# Allegro board P2597_B04_Allegro_layout.brd (continued)
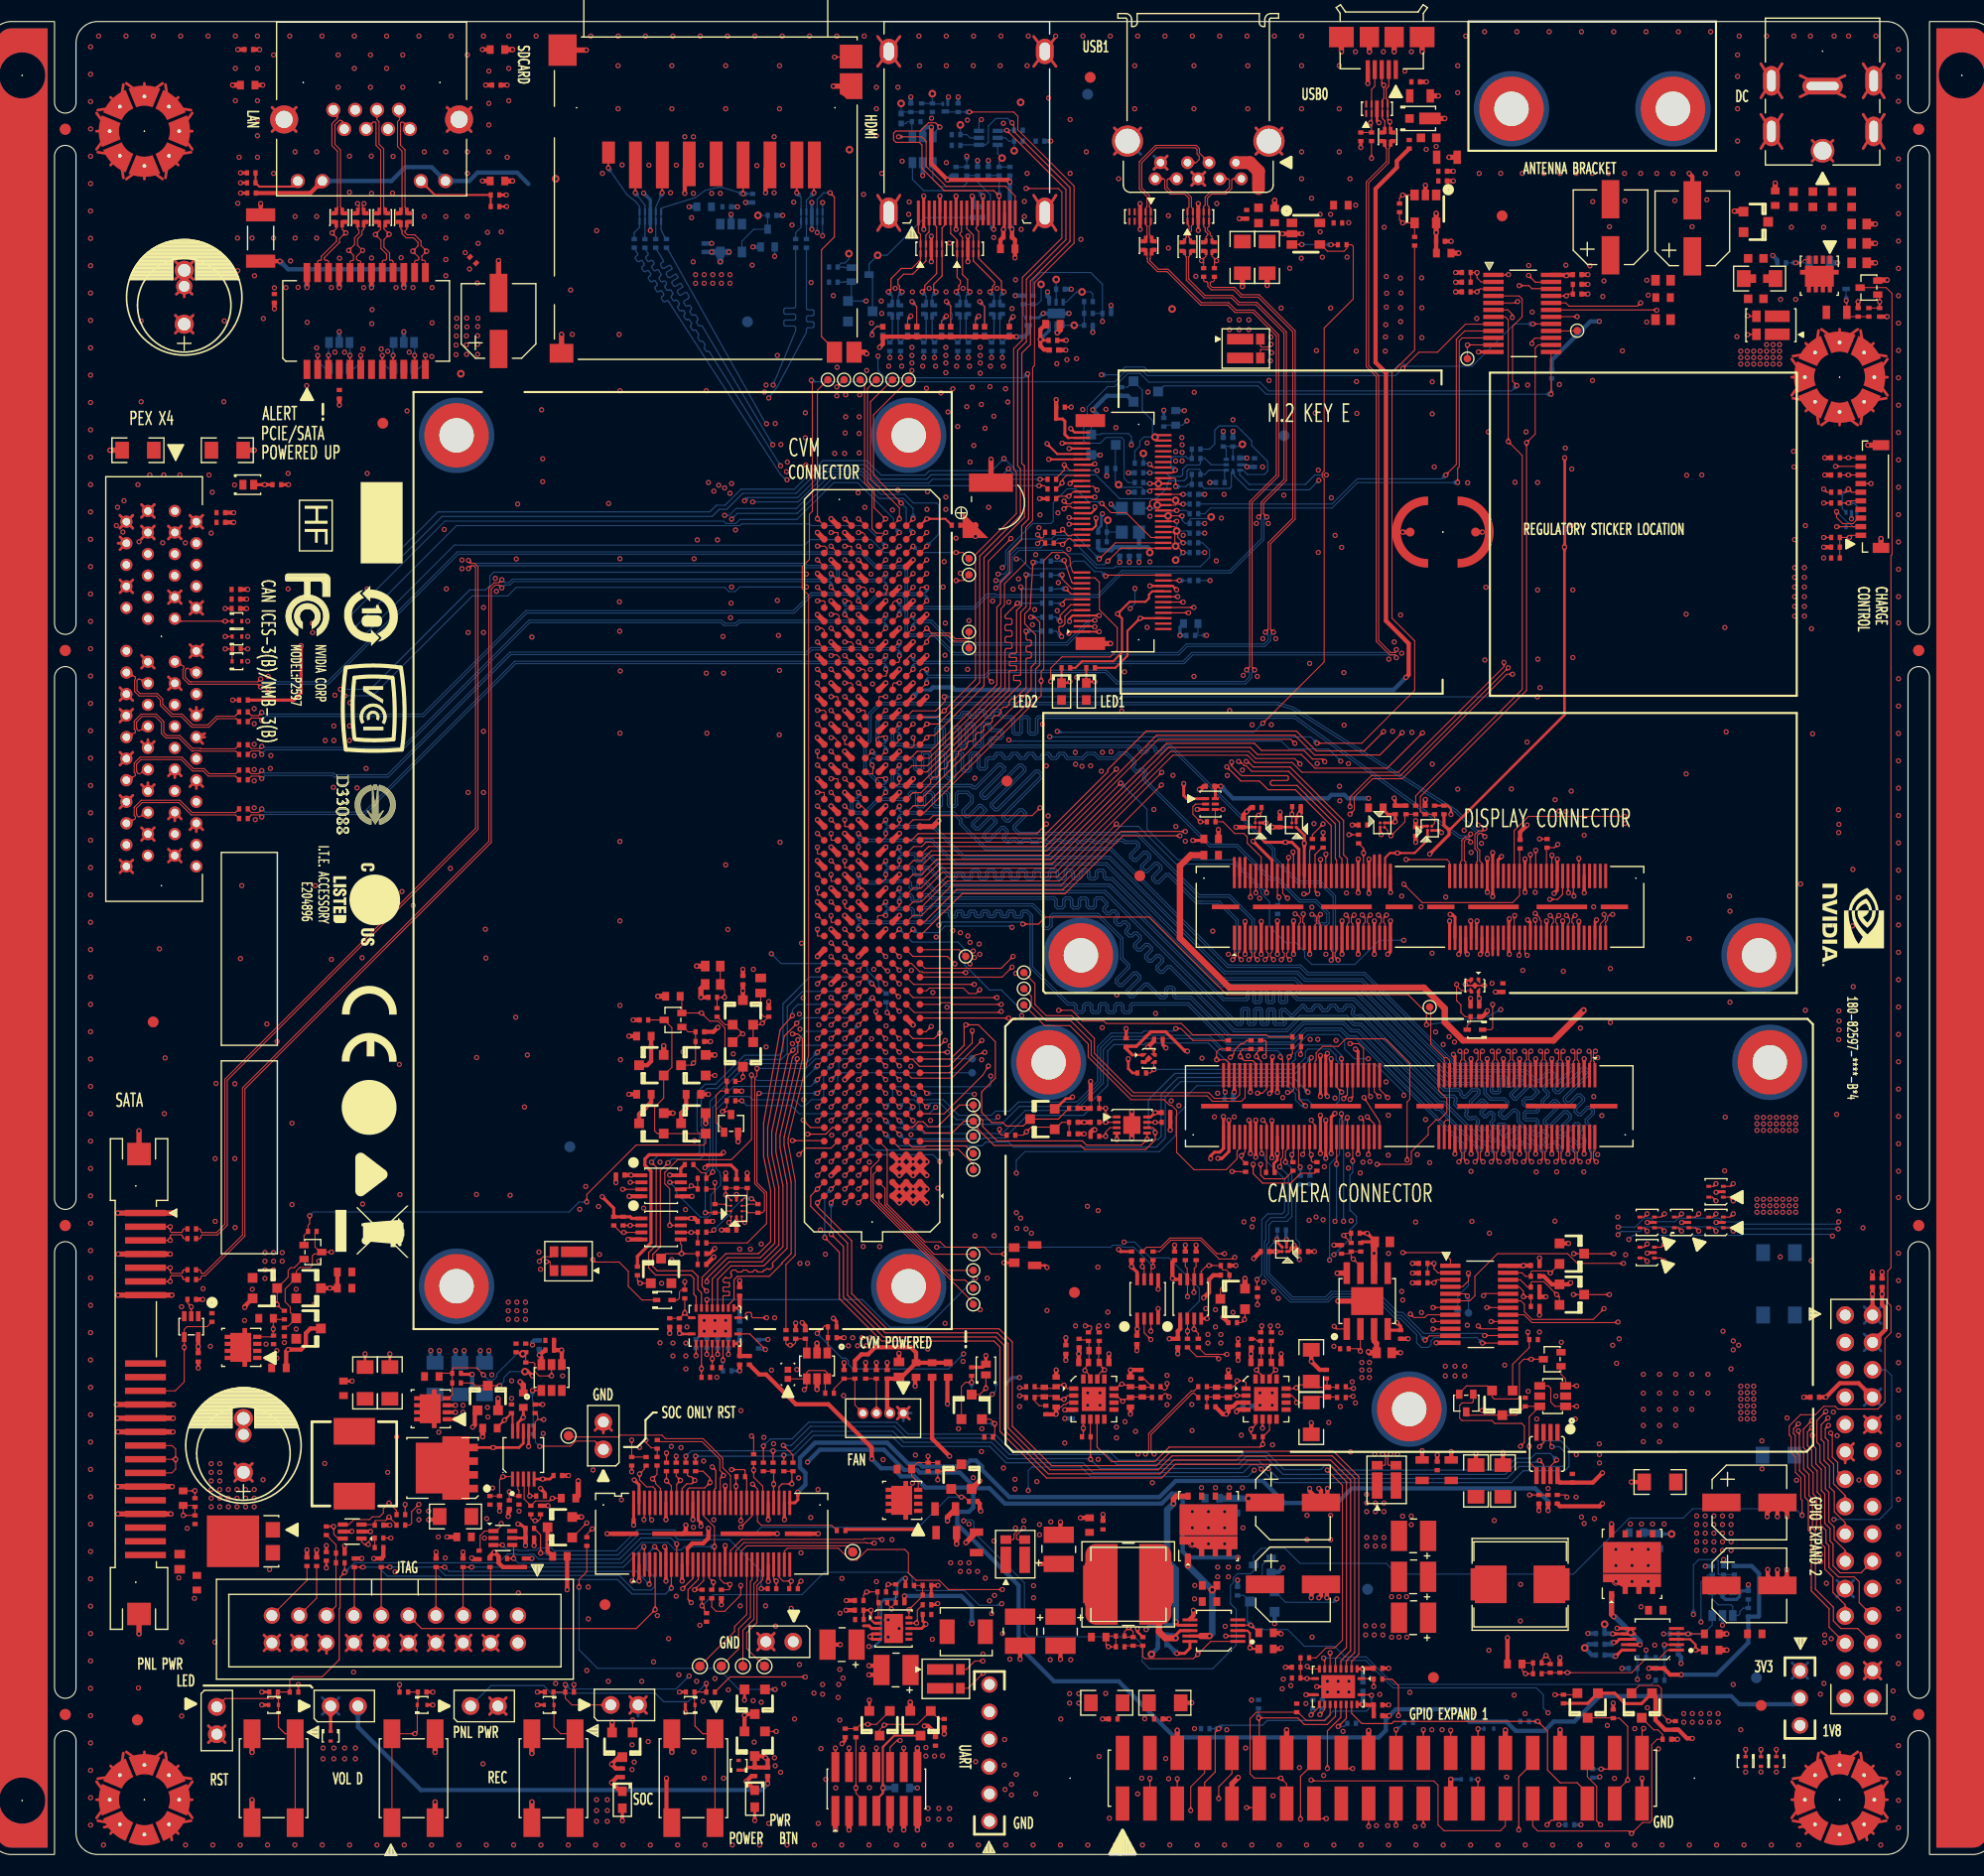
[diagram p0: board, top side]
## Routing (per net, layer and track width the routed paths; a pad name or vN(x,y) marks a point on that pad's centre or on a via; arc(x,y) is an arc through that point) (continued)
SDIO_D3: length 28
  TOP w0.111: v1(96.9,119.98) 96.63,115.68 96.13,115.19 96.13,114.26 97.14,113.25 97.14,110.67 96.72,110.25 96.72,108.2 86.49,97.97 J13.A30
  BOTTOM w0.111: R551.1 97.65,119.98 v1(96.9,119.98)
SDIO_DAT0_R: length 3.2
  TOP w0.111: v1(99.64,116.07) 99.64,116.25 99.92,116.53 J18.13
  BOTTOM w0.111: v1(99.64,116.07) 99.53,116.18 R554.2
SDIO_DAT1_R: length 3.1
  TOP w0.111: v1(99.94,117.52) 100.43,117.03 J18.15
  BOTTOM w0.111: R553.2 99.15,117.48 99.19,117.52 v1(99.94,117.52)
SDIO_DAT2_R: length 3.7
  TOP w0.111: v1(99.61,118.81) 99.61,118.42 100.5,117.53 J18.17
  BOTTOM w0.111: R552.2 99.58,118.78 v1(99.61,118.81)
SDIO_DAT3_R: length 4.4
  TOP w0.111: v1(99.8,120.16) 100.5,118.13 100.6,118.03 J18.19
  BOTTOM w0.111: v1(99.8,120.16) 99.72,120.08 R551.2
SLEEP: length 223
  TOP w0.1: R34.2 v1(38.05,15.78)
  TOP w0.111: J13.E2 v1(80.68,61.78) ; v1(155.55,55.08) 155.25,55.38 D23.1
  L3 w0.1: v1(93.06,22.37) 93.06,22.99 93.8,23.73 94.3,23.73 94.44,23.87 94.44,25.04 94.14,25.34 94.14,27.4 92.65,28.89 92.65,31.01 93.06,31.42 93.06,33.73 93.29,33.97 93.29,36.25 94.79,37.74 94.79,40.52 94.39,40.93 94.39,45.15 94.85,45.6 94.85,53.69 93.29,55.25 v1(93.29,57.44)
  L4 w0.1: v1(80.68,61.78) 81.48,62.58 88.78,62.58 93.29,58.08 v1(93.29,57.44) 93.88,57.44 94.13,57.19 97.45,57.19 98.2,56.43 104.18,56.43 105,57.25 113.34,57.25 113.38,57.21 114.36,56.23 118.1,56.23 119.35,57.48 121.24,57.48 121.62,57.11 122.53,57.11 124.06,55.58 124.06,55.02 124.29,54.79 125.24,54.79 127.71,57.26 150.95,57.26 151.56,56.66 153.34,56.66 153.72,56.27 154.21,56.27 155,55.48 155.15,55.48 v1(155.55,55.08) 156.92,55.08 164.95,47.05 164.95,39.05 167.07,36.93 169.53,36.93 170.8,35.66 170.8,34.32 171.64,33.48 172.71,33.48 173.53,32.65 173.53,26.03 J26.22 ; v1(38.05,15.78) 38.85,16.58 52.1,16.58 57.29,21.77 81.95,21.77 82.5,22.32 85.95,22.32 86.01,22.37 v1(93.06,22.37)
SLEEP_R: length 15.3
  TOP w0.1: S2.1 S2.4 v1(39.48,11.21) 39.7,11.43 D3.1 39.75,13.93 C35.1 R34.1
SNN_M2_B_65: length 3.1
  TOP w0.2: v1(98.35,129.53) J18.65
SNN_M2_B_67: length 3.6
  TOP w0.2: v1(98.2,130.98) 99.15,130.03 J18.67
SNN_M2_B_71: length 1.8
  TOP w0.2: v1(99.6,131.03) J18.71
SNN_U9_POK: length 1.3
  TOP w0.1: U23.1 125.12,48.79 v1(124.88,49.03)
SOC_PWR_REQ: length 89.1
  TOP w0.1: 85.12,68.76 v1(85.76,68.13) ; R136.1 90.55,33.18 v1(90.25,33.18) 90.05,33.18 Q21.1 ; U3.3 v1(47.62,28.73)
  L3 w0.1: v1(90.25,33.18) 89.85,33.58 89.85,38.33 89.32,38.86 89.32,39.98 89.7,40.36 89.7,42.37 89.15,42.92 89.15,48.06 89.5,48.41 89.5,49.53 88.64,50.39 88.64,59.33 89.13,59.82 89.13,64.09 88.6,64.62 88.6,67.73 87.65,68.68 86.31,68.68 v1(85.76,68.13)
  BOTTOM w0.1: v1(90.25,33.18) 89.05,33.18 86.25,30.38 71.65,30.38 70.88,29.6 64.1,29.6 63.57,30.14 60.14,30.14 58.19,28.19 52.43,28.19 52.17,28.45 50.97,28.45 50.77,28.25 50.03,28.25 49.98,28.21 49.11,28.21 49.03,28.28 48.07,28.28 v1(47.62,28.73)
SOC_REG_EN_Q: length 2.4
  TOP w0.4: R60.2 58.15,7.98 v1(57.75,8.38) 58.41,9.04 Q7.3
SOC_REG_EN_QQ: length 2.5
  TOP w0.4: CR1.1 58.56,5.87 v1(57.75,6.68) 58.25,7.18 R60.1
SPI0_CLK: length 99
  TOP w0.111: J13.E3 v1(80.68,63.05) ; J23.38 124.6,95.53 121.28,98.85 118.74,98.85 117.93,99.66 116.22,99.66 v1(114.9,100.98)
  L3 w0.12: v1(96.25,58.08) 96.83,58.66 96.83,65.38 97.45,66 97.45,69.44 100.69,72.68 100.69,75.37 96.82,79.23 96.82,85.09 97.34,85.6 97.34,92.4 100.01,95.08 100.01,97.34 100.16,97.49 100.16,97.79 100.43,98.06 100.73,98.06 101.01,98.34 101.01,98.64 101.28,98.91 101.58,98.91 101.86,99.19 101.86,99.49 102.21,99.84 102.51,99.84 v1(103.25,100.58)
  L4 w0.12: v1(80.68,63.05) 81.11,63.48 88.43,63.48 94.23,57.68 95.85,57.68 v1(96.25,58.08) ; v1(114.9,100.98) 114.85,100.93 108.44,100.93 108.39,100.88 108.39,100.85 108.27,100.73 107.91,100.73 107.79,100.85 107.79,101.14 107.67,101.26 107.31,101.26 107.19,101.14 107.19,100.85 107.07,100.73 106.71,100.73 106.59,100.85 106.59,101.14 106.47,101.26 106.11,101.26 105.99,101.14 105.99,100.85 105.87,100.73 105.51,100.73 105.39,100.85 105.39,101.14 105.27,101.26 103.93,101.26 v1(103.25,100.58)
SPI0_CS0: length 98.2
  TOP w0.111: J23.44 126.1,92.47 125.75,92.82 125.75,96 120.78,100.97 117.36,100.97 116.85,101.48 v1(116.7,101.48) ; J13.F3 v1(79.41,63.05)
  L3 w0.12: v1(104.15,102.38) 99.69,97.92 99.69,95.21 97.02,92.54 97.02,85.74 96.5,85.22 96.5,79.03 96.94,78.59 96.94,76.94 95.96,75.96 95.96,71.52 97.02,70.45 97.02,66.57 96.51,66.06 96.51,59.24 v1(95.4,58.13)
  L4 w0.12: v1(116.7,101.48) 115.8,102.38 v1(104.15,102.38) ; v1(95.4,58.13) 95.2,58.13 95.07,58.26 94.11,58.26 88.57,63.8 80.16,63.8 v1(79.41,63.05)
SPI0_MISO: length 98.9
  TOP w0.111: J23.40 125.1,92.33 124.99,92.44 124.99,95.68 121.41,99.25 119.08,99.25 118.93,99.4 118.93,99.55 119.1,99.72 120.51,99.72 120.62,99.83 120.62,100.05 120.51,100.16 116.26,100.16 115.35,101.07 v1(115.35,101.43) ; J13.E4 v1(80.68,64.32)
  L3 w0.12: v1(95.75,59.08) 96.19,59.52 96.19,66.33 96.7,66.85 96.7,70.02 95.64,71.08 95.64,76.27 96.62,77.25 96.62,78.33 96.18,78.76 96.18,85.36 96.69,85.87 96.69,92.67 99.37,95.35 99.37,98.2 v1(102.25,101.08)
  L4 w0.12: v1(102.25,101.08) 102.75,101.58 108.47,101.58 108.67,101.38 109.07,101.38 109.27,101.58 109.67,101.58 109.87,101.38 110.27,101.38 110.47,101.58 115.2,101.58 v1(115.35,101.43) ; v1(95.75,59.08) 94.2,59.08 88.42,64.86 81.22,64.86 v1(80.68,64.32)
SPI0_MOSI: length 99
  TOP w0.111: J23.42 125.6,92.43 125.37,92.66 125.37,95.84 120.64,100.57 117.22,100.57 116.7,101.08 116.54,101.08 116.14,101.48 v1(116,101.48) ; J13.F4 v1(79.41,64.32)
  L3 w0.12: v1(101.45,101.03) 100.49,100.08 100.41,100.08 99.98,100.5 99.72,100.5 99.47,100.25 99.47,100.08 99.9,99.65 99.9,99.48 99.64,99.22 99.47,99.22 99.04,99.66 98.88,99.66 98.62,99.4 98.62,99.23 99.05,98.8 99.05,95.48 96.37,92.8 96.37,86 95.86,85.49 95.86,78.63 96.29,78.2 96.29,77.46 95.32,76.49 95.32,70.86 95.87,70.31 95.87,60.1 v1(95.35,59.58)
  L4 w0.12: v1(95.35,59.58) 95.05,59.88 93.85,59.88 88.55,65.18 80.27,65.18 v1(79.41,64.32) ; v1(116,101.48) 115.58,101.9 102.32,101.9 v1(101.45,101.03)
SPI1_CS0: length 36.8
  TOP w0.111: v1(75.05,75.63) 75.05,74.48 74.85,74.28 74.8,74.28 74.6,74.08 74.6,74.03 74.55,73.98 73.01,66.88 73.01,65.23 73.67,62.09 73.67,56.43 71.88,54.64 68.84,54.64 67.6,53.4 U7.5 ; J13.E14 v1(80.68,77.02)
  BOTTOM w0.111: v1(80.68,77.02) 80.09,76.43 75.85,76.43 v1(75.05,75.63)
SPI1_CS0_3V3: length 108.9
  TOP w0.111: J21.24 v1(133.16,11.58) ; U7.16 v1(67.6,46.43)
  L3 w0.12: v1(67.6,46.43) 67.6,45.45 68.27,44.78 68.27,40.87 69.66,39.49 69.66,37.54 72.08,35.12 72.08,32.81 71.57,32.3 71.57,25.34 71.24,25.01 71.24,23.47 70.89,23.12 70.89,22.3 69.86,21.27 69.86,16.6 71.65,14.81 v1(71.65,14.13)
  L4 w0.12: v1(133.16,11.58) 132.49,10.91 132.49,10.79 132.58,10.7 133.9,10.7 134.04,10.56 134.04,10.39 133.89,10.24 118.2,10.24 117.67,10.24 117.47,10.44 117.29,10.63 116.21,10.63 116.21,10.63 115.94,10.63 115.94,10.63 115.6,10.29 109.96,10.29 109.33,10.91 96.84,10.91 95.49,9.57 90.21,9.57 88.91,8.26 77.52,8.26 v1(71.65,14.13)
  BOTTOM w0.111: 67.6,47 v1(67.6,46.43)
SPI1_CS1: length 36.1
  TOP w0.111: v1(74.6,74.68) 74.17,74.25 72.63,67.13 72.63,65.03 73.29,61.93 73.29,56.59 71.72,55.02 68.68,55.02 67.1,53.44 U7.6 ; J13.E13 v1(80.68,75.75)
  BOTTOM w0.111: v1(80.68,75.75) 80.06,75.13 75.05,75.13 v1(74.6,74.68)
SPI1_CS1_3V3: length 109.6
  TOP w0.111: J21.26 v1(135.7,11.53) ; R3238.1 v1(67.1,46.03) U7.15
  L3 w0.12: v1(67.1,46.03) 67.1,45.43 67.95,44.58 67.95,40.74 69.33,39.36 69.33,37.22 70.26,36.3 70.26,35.73 70.74,35.25 71.08,35.25 71.6,34.74 71.6,32.85 71.22,32.48 71.22,25.62 70.87,25.26 70.87,23.95 70.57,23.66 70.57,22.44 69.54,21.41 69.54,16.29 70.9,14.94 v1(70.9,14.28)
  L4 w0.12: v1(70.9,14.28) 77.29,7.89 89.07,7.89 90.4,9.21 95.69,9.21 97.07,10.59 109.2,10.59 109.82,9.97 115.74,9.97 116.07,10.31 117.15,10.31 117.54,9.92 134.54,9.92 135.25,10.63 135.25,11.08 v1(135.7,11.53)
SPI1_MISO: length 36.6
  TOP w0.111: U7.3 68.6,51.02 69.12,51.54 69.12,53.35 69.45,53.68 72.4,53.68 73.57,54.85 73.57,54.94 74.43,55.79 74.43,62.41 73.77,65.83 73.77,66.58 75.47,73.83 75.47,75.77 75.06,76.18 v1(74.55,76.18) ; J13.F14 v1(79.41,77.02)
  L4 w0.12: v1(74.55,76.18) 76.25,76.18 76.5,76.43 78.82,76.43 v1(79.41,77.02)
SPI1_MISO_3V3: length 108.7
  TOP w0.111: J21.21 v1(130.62,2.71) ; U7.18 v1(68.6,46.43)
  L3 w0.12: v1(68.6,46.43) 68.6,45.5 68.95,45.15 68.95,41.1 70.3,39.75 70.3,37.86 71.33,36.83 71.59,36.83 73.3,35.12 73.3,30.83 73.57,30.56 73.57,24.01 70.51,20.94 70.51,17.08 72.98,14.6 72.98,12.31 73.55,11.74 73.55,7.73 v1(73.45,7.63)
  L4 w0.12: v1(73.45,7.63) 74.66,6.42 75.65,6.42 75.8,6.26 75.8,6.08 75.5,5.77 75.5,5.58 75.65,5.43 91.02,5.43 92.11,4.34 103.71,4.34 103.74,4.37 103.79,4.37 105.58,6.16 127.17,6.16 v1(130.62,2.71)
  BOTTOM w0.111: 68.6,47 v1(68.6,46.43)
SPI1_MOSI: length 34.6
  TOP w0.111: U7.1 70.09,49.83 70.2,49.94 70.2,50.22 70.31,50.33 70.64,50.33 70.75,50.22 70.75,49.94 70.86,49.83 v1(72.15,49.83) ; J13.F13 v1(79.41,75.75)
  L3 w0.12: v1(79.41,75.75) 78.82,75.75 78.25,75.18 76.75,75.18 76.35,74.78 76.35,67.78 76.5,67.63 76.5,65.45 74.84,63.79 74.84,52.52 v1(72.15,49.83)
SPI1_MOSI_3V3: length 113.8
  TOP w0.111: U7.20 70.59,48.33 v1(72.04,46.88) ; J21.19 v1(128.08,2.61)
  L3 w0.12: v1(128.08,2.61) 127.77,2.92 123.82,2.92 122.26,4.48 120.76,4.48 118.59,2.31 94.04,2.31 93.85,2.5 93.85,2.67 94.02,2.84 95.8,2.84 96,3.03 96,3.2 95.84,3.35 94.26,3.35 93.52,4.09 92.34,4.09 90.88,2.63 86.98,2.63 86.53,3.08 77.99,3.08 76.77,4.3 76.77,10.15 77.36,10.74 77.36,13.3 75.35,15.3 75.35,16.65 75.82,17.12 75.82,26.42 75.82,26.42 75.82,27.81 75.82,27.81 75.82,27.85 77.66,29.69 77.66,30.74 78.4,31.48 78.4,33.03 76.65,34.78 76.65,35.31 76.65,35.31 76.65,37.16 72.92,40.89 72.92,40.89 72.04,41.77 72.04,41.77 72.04,45.42 72.16,45.54 72.48,45.54 72.6,45.66 72.6,46.02 72.48,46.14 72.16,46.14 72.04,46.26 v1(72.04,46.88)
  BOTTOM w0.111: R334.1 71.5,46.88 v1(72.04,46.88)
SPI1_SCK: length 35.7
  TOP w0.111: v1(75,73.88) 73.39,66.73 73.39,65.63 74.05,62.25 74.05,56.27 72.7,54.92 72.7,54.77 72.74,54.73 72.74,54.57 72.5,54.33 72.34,54.33 72.3,54.37 72.15,54.37 72.04,54.26 71.94,54.26 71.83,54.15 71.83,54.14 71.77,54.08 71.33,54.08 71.27,54.14 71.27,54.15 71.16,54.26 71.03,54.26 70.85,54.08 70.47,54.08 70.29,54.26 70,54.26 69.82,54.08 69.45,54.08 69.27,54.26 69,54.26 68.82,54.09 68.82,53.93 68.9,53.85 68.9,53.67 68.74,53.51 68.45,53.51 68.39,53.58 68.32,53.58 68.1,53.36 68.1,53.21 68.21,53.1 68.65,53.1 68.7,53.05 68.7,52.73 68.65,52.68 68.15,52.68 68.1,52.63 68.1,52.33 68.15,52.28 68.65,52.28 68.7,52.23 68.7,51.93 68.65,51.88 68.15,51.88 68.1,51.83 U7.4 ; J13.G13 v1(78.14,75.75)
  L4 w0.12: v1(78.14,75.75) 77.57,75.18 76.3,75.18 v1(75,73.88)
SPI1_SCK_3V3: length 109.9
  TOP w0.111: J21.23 v1(133.16,2.69) ; U7.17 v1(68.1,45.88)
  L3 w0.12: v1(68.1,45.88) 68.1,45.45 68.6,44.95 68.6,41 69.98,39.62 69.98,37.7 71.19,36.49 71.46,36.49 72.4,35.55 72.4,32.55 71.9,32.05 71.9,25.04 72.06,24.88 72.06,23.77 71.35,23.06 71.35,22.28 70.19,21.12 70.19,16.89 72.58,14.5 72.58,11.09 72.88,10.78 v1(72.88,8.98)
  L4 w0.12: v1(133.16,2.69) 132.6,3.25 130.68,3.25 127.45,6.48 105.45,6.48 103.65,4.69 92.36,4.69 91.29,5.75 77.22,5.75 73.99,8.98 v1(72.88,8.98)
  BOTTOM w0.111: R336.1 v1(68.1,45.88)
SPI2_CS0: length 88.5
  TOP w0.111: J23.110 147.6,92.47 v1(147.61,92.48) ; J13.G16 78.77,80.21 v1(79.38,80.81) ; v1(133.45,77.03) 133.45,78.14 131.76,79.83 114.91,79.83 107.71,87.03 98.05,87.03 97.4,86.38 v1(95.95,86.38)
  L3 w0.12: v1(147.61,92.48) 141.6,86.47 141.6,82.62 v1(140.35,78.44)
  L4 w0.12: v1(79.38,80.81) 79.4,80.81 79.82,81.24 79.82,83.06 79.85,83.13 80.5,83.78 82.61,85.14 85.88,85.45 87.95,86.21 v1(88.15,86.28)
  BOTTOM w0.111: v1(140.35,78.44) 139.15,77.81 v1(133.45,77.03) ; v1(95.95,86.38) 95.75,86.58 88.45,86.58 v1(88.15,86.28)
SPI2_CS1: length 67.9
  TOP w0.111: J22.66 128.1,65.03 v1(128.05,64.98) ; J13.F16 v1(79.41,79.56)
  L4 w0.12: v1(79.41,79.56) 79.93,80.08 80.65,80.08 81.35,80.78 81.35,81.38 81.55,81.58 82.35,81.58 82.65,81.28 82.65,80.62 83.19,80.08 86.72,80.08 90.85,75.94 91.62,75.94 91.74,75.83 91.74,75.47 91.62,75.34 90.85,75.34 90.73,75.22 90.73,74.94 90.85,74.83 91.73,74.83 91.85,74.7 91.85,74.34 91.73,74.22 90.85,74.22 90.73,74.11 90.73,73.81 96.2,68.34 96.69,68.34 98.43,66.6 98.43,66.11 100.68,63.86 114.36,63.86 115.98,65.48 124.96,65.48 125.09,65.36 125.09,64.65 125.21,64.53 125.57,64.53 125.69,64.65 125.69,65.36 125.81,65.48 127.55,65.48 v1(128.05,64.98)
SPI2_MISO: length 100.2
  TOP w0.111: J22.64 128.6,67.83 v1(127.95,68.48) ; 77.5,78.92 v1(76.87,78.29) ; v1(146.65,89.28) 146.6,89.33 J23.106
  L3 w0.12: v1(122.65,75.68) 123.1,76.13 123.9,76.13 125.97,74.06 125.97,71.82 127.17,70.61 127.17,69.57 127.59,69.15 127.59,68.84 v1(127.95,68.48) ; v1(146.65,89.28) 145.35,87.43 145.35,86.72 144.44,84.19 144.44,84.16 144.39,84.07 143.72,82.19 140.83,77.77 135.76,75.93 v1(135.55,75.93) ; v1(76.87,78.29) 77.35,79.13 77.98,80.05 78.7,80.73 79.95,81.93 80.4,82.48 82.8,84.08 86.84,85.58 v1(89.45,85.78)
  L4 w0.12: v1(135.55,75.93) 133.62,75.93 126.52,76.37 124.93,76.37 123.02,76.05 v1(122.65,75.68) 122.42,75.45 112.99,75.45 112.99,75.45 112.1,75.45 106.67,80.89 103.25,84.83 102.62,85.45 101.51,85.83 95.95,85.68 94.78,85.68 91.27,86 90.12,86 89.47,85.8 v1(89.45,85.78)
SPI2_MOSI: length 99
  TOP w0.111: v1(127.35,68.38) 127.6,68.13 J22.68 ; J23.108 147.1,89.03 v1(147.15,88.98) ; J13.G15 78.13,79.56 v1(78.13,79.57)
  L3 w0.12: v1(90.15,85.58) 89.34,85.26 89.05,85.19 87.95,84.73 85.68,84.75 83.47,83.98 82.95,83.79 82.88,83.75 81.75,82.38 80.17,81.03 79.3,80.16 78.14,79.57 v1(78.13,79.57) ; v1(123.35,75.68) 123.87,75.68 125.05,74.5 125.05,73.17 125.17,73.05 125.43,73.05 125.55,72.93 125.55,72.49 125.43,72.37 125.27,72.37 125.2,72.3 125.2,71.68 125.4,71.48 125.55,71.48 126.75,70.28 126.75,69.94 126.67,69.86 126.67,69.61 127.27,69.01 127.27,68.46 v1(127.35,68.38) ; v1(147.15,88.98) 146.85,87.4 146.85,87.02 143.2,79.43 140,76.23 v1(136.05,75.43)
  L4 w0.12: v1(90.15,85.58) 90.25,85.68 91.14,85.68 91.36,85.46 91.95,85.28 95.56,84.17 95.95,83.78 101.86,80.5 102.02,80.55 102.28,81.01 102.44,81.05 102.75,80.88 102.8,80.72 102.55,80.26 102.59,80.1 102.91,79.92 103.07,79.97 103.33,80.42 103.49,80.47 103.8,80.3 103.85,80.13 103.6,79.67 103.64,79.52 109.92,76.03 111.84,75.15 111.95,75.15 111.97,75.13 113.12,75.13 113.12,75.13 121.29,75.13 122.49,75.13 122.96,75.29 v1(123.35,75.68) 125.06,76.05 126.51,76.05 132.07,75.7 132.44,75.68 132.45,75.68 133.74,75.6 135.28,75.6 135.45,75.43 v1(136.05,75.43)
SPI2_SCK: length 101.4
  TOP w0.111: v1(127.65,70.28) 129.1,68.03 J22.62 ; 77.5,77.65 78.16,78.31 v1(78.16,78.31) ; v1(144.9,88.68) 145.63,88.68 146.1,89.14 J23.104
  L3 w0.12: v1(144.9,88.68) 144.1,87.88 144.1,86.39 143.98,86.27 142.89,86.27 142.8,86.18 142.8,85.72 142.85,85.67 144.05,85.67 144.1,85.62 144.1,84.2 143.43,82.33 140.68,78.13 135.87,76.38 135.35,76.38 135,76.03 v1(135,75.2) ; v1(78.16,78.31) 78.16,78.31 78.17,78.31 78.84,78.31 81.52,81 81.52,81.06 81.72,81.25 81.77,81.25 82.7,82.18 87.95,84.38 89.15,84.88 v1(90.85,85.28) ; v1(125.05,75.58) 126.64,73.99 126.75,73.99 126.91,73.83 126.91,73.56 126.75,73.39 126.49,73.39 126.37,73.27 126.37,72.93 126.42,72.88 126.88,72.88 127.07,72.69 127.07,72.5 126.8,72.23 126.42,72.23 126.37,72.18 126.37,71.87 126.63,71.6 126.8,71.6 127.48,72.28 127.65,72.28 127.91,72.02 127.91,71.85 127.23,71.18 127.23,71.01 127.49,70.75 127.49,70.44 v1(127.65,70.28)
  L4 w0.12: v1(90.85,85.28) 95.39,83.89 95.76,83.52 109.77,75.75 111.97,74.74 122.32,74.74 124.87,75.58 v1(125.05,75.58) 125.19,75.72 126.5,75.72 135,75.2 v1(135,75.2)
SUSCLK_32KHZ: length 3.8
  TOP w0.111: v1(107.75,124.98) 107.75,125.58 107.95,125.78 J18.50
  BOTTOM w0.111: v2(108.45,125.28) 108.15,124.98 v1(107.75,124.98) Y501.3
SW_VDD_3V3_SYS_G: length 5.5
  TOP w0.1: R131.1 R129.2 ; R129.2 v1(87.15,36.98) ; R129.2 86.15,36.38 85.62,35.86 85.62,35.16 86.24,34.54 Q19.4
SW_VDD_3V3_SYS_R: length 3.3
  TOP w0.1: Q21.3 89.61,35.58 R131.2 v1(88.05,34.78)
SYNV18DBC_3_BST: length 2.8
  TOP w0.25: C67.1 86.65,21.68 v1(86.95,21.38) 86.55,20.98 U9.8
SYNV18DBC_3_FB: length 4.4
  TOP w0.1: R119.1 81.15,24.08 v1(81.45,24.38) R122.2 82.45,23.48 R123.2 82.52,23.35 U9.1
SYNV18DBC_3_FB2: length 2.3
  TOP w0.1: C62.1 R124.2 83.75,22.98 83.75,22.88 ; v1(83.75,22.78) 83.75,22.88 ; 83.75,22.88 83.35,23.28 R123.1
SYNV18DBC_3_FB_C: length 1.5
  TOP w0.1: C62.2 v1(83.45,25.08) 83.25,24.88 R122.1
SYNV18DBC_3_SW:
  vias: v1(87.55,19.98)
SYNV18DBC_3_VCC: length 3.3
  TOP w0.2: U9.2 82.16,21.48 81.85,21.79 v1(81.85,22.68) C59.1 81.17,22.66 R120.2
SYS_RST_IN_DBG_C: length 2.5
  TOP w0.111: J10.40 69.3,34.17 v1(69.31,34.18) 69.31,35.04 R97.1
TCA9539_2_RST_L: length 2.2
  TOP w0.1: R234.2 v1(134.15,53.08) 134.43,53.35 U28.3
TCA9539_RST_L: length 2.2
  TOP w0.1: U29.3 138.43,145.36 v1(138.15,145.08) R241.2
TORCH_EN: length 43.7
  TOP w0.1: U28.9 135.65,49.48 134.15,49.48 v1(134.05,49.58) ; v1(118.25,68.18) 118.6,67.83 J22.104 118.6,63.38 R200.1
  L3 w0.1: v1(118.25,68.18) 118.2,68.13 118.2,66.44 118.6,66.04 118.6,64.89 118.51,64.8 118.51,63.89 117.72,63.1 117.72,59.31 117.82,59.2 117.82,58.15 117.52,57.85 116.53,57.85 116.38,57.69 116.38,56.08 116.67,55.79 116.67,54.21 116.15,53.69 116.15,52.41 116.29,52.27 v1(119.26,52.27)
  L4 w0.1: v1(119.26,52.27) 121.25,52.27 121.37,52.39 129.01,52.39 131.82,49.58 v1(134.05,49.58)
TOUCH_CLK: length 53.5
  TOP w0.111: R218.2 v1(126.25,94.68) ; v1(124,101.46) 123.76,101.7 122.86,101.7 122.06,102.51 118.12,102.51 117.46,103.17 109.33,103.17 98.54,92.38 87.95,92.38 86.56,90.99 85.76,90.99 85.12,90.35
  L3 w0.12: v1(126.25,94.68) 125.22,95.71 125.22,96.6 124,97.81 v1(124,101.46)
TOUCH_CLK_R: length 3.2
  TOP w0.111: J23.50 127.6,92.97 v1(127.61,92.98) 127.61,93.42 R218.1
TOUCH_INT: length 54.9
  TOP w0.1: v1(121.22,103.16) 120.84,103.54 108.54,103.54 98.18,93.18 87.45,93.18 86.55,92.28 85.78,92.28 85.12,91.62 ; v1(123.61,92.38) 123.6,92.37 J23.34
  L3 w0.1: v1(121.22,103.16) 121.22,98.18 122.52,96.88 122.52,96.26 122,95.73 122,94.88 122.65,94.23 122.65,93.34 v1(123.61,92.38)
TOUCH_RST: length 54.3
  TOP w0.1: v1(121.7,101.25) 121.2,101.75 117.59,101.75 116.94,102.41 109.67,102.41 98.84,91.58 88.35,91.58 86.49,89.72 85.76,89.72 85.12,89.08 ; v1(124.11,92.88) 124.1,92.87 J23.36
  L3 w0.1: v1(121.7,101.25) 121.7,98.15 122.91,96.94 122.91,96.19 122.52,95.8 122.52,95.02 122.91,94.63 122.91,94.07 v1(124.11,92.88)
TXD_HDR_1V8: length 2.8
  TOP w0.1: R79.2 R80.2 65.55,61.98 65.25,61.98 v1(65.15,62.08) 64.95,61.88 64.3,61.88 U5.6
TXL8_1_OE: length 3.2
  TOP w0.1: U22.10 v1(122.35,16.33) 121.8,16.33 R204.2 R203.2 R343.2
TXL8_2_OE: length 3.8
  TOP w0.1: v1(64.55,50.28) 65,49.83 U7.10 ; v1(64.55,50.28) R72.2 R70.2 ; v1(64.55,50.28) R342.2
TXL8_OE: length 107.9
  TOP w0.1: v1(64.55,53.18) R342.1 64.25,52.43 64.05,52.23 64.05,51.66 63.88,51.48 D16.2 ; R343.1 123.2,18.26 124.12,19.18 124.92,19.18 125.65,19.9 125.65,34.27 v1(124.23,35.69)
  L3 w0.1: v1(119.92,48.43) 121.87,48.43 125,45.3 125,41.33 128.25,38.08 128.25,36.45 128,36.2 124.75,36.2 v1(124.23,35.69)
  L4 w0.1: v1(119.92,48.43) 117.55,46.05 117.13,46.05 112.41,41.34 108.77,41.34 108.04,42.06 107.16,42.06 106.39,42.83 104.84,42.83 104.36,42.34 101.15,42.34 100.74,42.76 97.05,42.76 96.08,43.73 94.95,43.73 94.4,44.28 93.05,44.28 92.75,44.58 88.77,44.58 80,53.35 74.7,53.35 74.2,53.85 65.22,53.85 v1(64.55,53.18)
TYPEC_INT: length 118.7
  TOP w0.1: v1(151.75,54.88) 147.47,54.88 146.57,55.78 140.05,55.78 137.95,53.68 137.95,51.88 137.47,51.41 U28.6 ; J27.9 v1(171.45,128.88)
  L3 w0.1: v1(151.75,54.88) 151.54,55.09 151.54,56.12 151.22,56.43 151.22,56.83 151.65,57.25 151.65,57.85 v1(151.25,58.25) ; v1(171.75,58.73) 170.88,59.6 170.88,97.76 172.24,99.11 172.24,121.11 171.56,121.79 171.56,122.67 171.15,123.08 171.15,128.58 v1(171.45,128.88)
  BOTTOM w0.1: v1(151.25,58.25) 152.84,58.25 153.67,59.08 154.24,59.08 154.57,58.75 156.53,58.75 156.86,59.08 160.65,59.08 161,58.73 162.52,58.73 162.72,58.53 171.55,58.53 v1(171.75,58.73)
U3_P1: length 4
  TOP w0.1: R41.1 45.54,28.3 45.54,29.61 45.96,30.03 U3.1 47.02,30.03 47.5,30.51 v1(47.5,30.73)
U9_FB: length 4.3
  TOP w0.1: U23.7 127.31,54.61 v1(126.65,55.28) 126.45,55.48 C133.2 ; R212.1 126.25,55.78 C133.2 ; C133.2 R219.2
U9_FB_R: length 2.7
  TOP w0.1: R217.2 125.95,57.68 v1(125.75,57.48) C133.1 R217.2
U60_P00: length 6.4
  TOP w0.1: U28.4 136.8,52.7 137.35,53.25 v1(137.35,53.98)
  BOTTOM w0.1: TP502.1 136.35,51.83 137.35,52.83 v1(137.35,53.98)
U60_P01: length 3.3
  TOP w0.1: U28.5 137.06,52.05 v1(137.25,51.86)
  BOTTOM w0.1: v1(137.25,51.86) 137.35,51.76 TP501.1
UART0_CTS: length 53.6
  TOP w0.1: R66.2 R61.2 v1(59.62,38.48) ; v1(70.75,72.38) 70.75,66.38 68.88,64.5 63.88,64.5 62.69,63.32 62.69,62.27 63.15,61.81 v1(63.15,58.41) U6.7 ; 77.5,73.84 v1(76.87,73.21)
  L3 w0.1: v1(63.15,58.41) 61.25,56.5 61.25,52.33 59.51,50.59 59.51,38.59 v1(59.62,38.48)
  BOTTOM w0.1: v1(76.87,73.21) 75.52,71.86 71.27,71.86 v1(70.75,72.38)
UART0_RTS: length 60.6
  TOP w0.1: R67.2 61.99,36.93 R68.2 61.92,37.75 61.43,37.75 60.95,38.23 v1(60.95,38.49) ; J13.G11 v1(78.14,73.21) ; U5.7 v1(63.15,62.41)
  L3 w0.1: v1(63.15,62.41) 63.72,61.84 63.72,58.05 61.66,55.99 61.66,52.24 59.83,50.41 59.83,39.61 v1(60.95,38.49)
  BOTTOM w0.1: v1(78.14,73.21) 77.45,72.52 77.45,70.38 77.15,70.08 76.3,70.08 75.7,69.48 75.33,69.48 74.74,70.07 70.86,70.07 70.55,70.38 68.69,70.38 67.45,69.14 67.45,63.67 67.82,63.31 67.82,63.06 67.88,63 67.88,62.16 66.97,61.25 66.97,59.44 66.7,59.18 66,59.18 63.8,61.38 63.8,61.75 v1(63.15,62.41)
UART0_RXD: length 24.3
  TOP w0.1: U8.B1 70.3,59.73 70.45,59.58 R102.1 71.75,59.58 71.95,59.78 71.95,61.38 71.05,62.28 71.05,72.08 71.25,72.28 v1(71.25,72.98) ; J13.G12 v1(78.14,74.48)
  BOTTOM w0.1: v1(71.25,72.98) 75.8,72.98 76.7,73.88 77.54,73.88 v1(78.14,74.48)
UART0_RXD_DBG_1V8: length 36.1
  TOP w0.1: U8.A1 69.85,58.88 70.05,58.68 v1(70.12,58.68) ; J10.8 61.3,31.24 v1(61.48,31.06)
  L3 w0.1: v1(70.12,58.68) 69.45,58.01 69.45,56.77 64.94,52.25 62.7,52.25 60.43,49.99 60.43,40.01 61.58,38.87 61.58,35.77 61.15,35.35 61.15,31.39 v1(61.48,31.06)
UART0_RXD_HDR_1V8: length 8
  TOP w0.1: v1(67.25,57.98) 67.05,57.78 R81.2 ; v1(70.75,60.88) 70.85,60.88 R102.2 70.45,60.38 70.3,60.23 U8.C1
  BOTTOM w0.1: v1(70.75,60.88) 69.95,60.88 68.84,59.77 68.84,59.57 v1(67.25,57.98)
UART0_TXD: length 25.7
  TOP w0.1: v1(66.45,59.58) R89.1 68.25,59.58 68.4,59.73 U8.B3 ; 77.5,75.11 v1(76.87,74.48)
  BOTTOM w0.1: v1(76.87,74.48) 75.82,73.43 70.42,73.43 66.9,69.91 66.9,64.85 66.83,64.78 66.83,63.59 66.45,63.21 v1(66.45,59.58)
UART0_TXD_DBG_1V8: length 36
  TOP w0.1: v1(60.75,31.08) 60.8,31.13 J10.6 ; U8.A3 68.85,58.88 v1(68.65,58.68)
  L3 w0.1: v1(60.75,31.08) 60.95,31.28 60.95,35.43 61.38,35.85 61.38,38.78 60.16,40 60.16,50.19 62.52,52.55 64.9,52.55 69.25,56.91 69.25,58.08 v1(68.65,58.68)
UART0_TXD_HDR_1V8: length 4.4
  TOP w0.1: 67.35,61.88 R89.2 68.25,60.38 68.4,60.23 U8.C3 ; 67.35,61.88 v1(67.35,62.38) ; 67.35,61.88 67.25,61.78 R80.1
UART1_CTS: length 50.4
  TOP w0.1: R175.2 v1(111.25,48.58) 111.25,49.73 U14.2 ; J13.E10 v1(80.68,71.94)
  L3 w0.1: v1(101.95,60.18) 103.25,60.18 103.41,60.02 103.41,56.47 104.15,55.73 105.11,55.73 105.35,55.97 v1(105.35,56.86)
  L4 w0.1: v1(80.68,71.94) 81.99,71.94 82.55,71.38 87.16,71.38 87.16,71.38 87.37,71.38 94.77,63.98 95.58,63.98 99.38,60.18 v1(101.95,60.18)
  BOTTOM w0.1: v1(111.25,48.58) 111.25,50.28 112.35,51.38 112.35,52.56 109.52,55.4 107.81,55.4 106.34,56.86 v1(105.35,56.86)
UART1_CTS_3V3_L: length 49.8
  TOP w0.1: R174.1 111.05,54.58 111.22,54.41 U14.7 111.25,53.38 v1(111.25,51.78)
  L3 w0.1: v1(111.25,51.78) 110.97,51.5 110.67,51.5 108.45,49.28 107.85,49.28 107.2,48.62 107.2,47.32 107.88,46.65 107.88,38.07 108.58,37.36 108.58,34.43 96.82,22.67 96.82,18.05 94.55,15.78 J17.6
UART1_CTS_HDR_3V3: length 159.3
  TOP w0.1: U6.2 v1(59.48,58.41) R325.2 ; J21.36 148.4,7.2 149.26,6.34 149.26,3.12 v1(149.63,2.75)
  L3 w0.1: v1(59.48,58.41) 58.78,58.41 58.46,58.08 58.46,57.16 58.99,56.62 60.38,56.62 60.68,56.32 60.68,54.17 59.91,53.39 59.91,51.91 58.9,50.89 58.9,34.19 59.8,33.28 59.8,31.57 59.05,30.83 59.05,24.69 59.38,24.36 59.38,15.61 59.02,15.24 59.02,10.11 v1(59.75,9.38)
  L4 w0.1: v1(59.75,9.38) 60.41,8.72 71.07,8.72 75,4.79 90.51,4.79 91.35,3.96 91.35,2.62 92.15,1.81 107.19,1.81 110.17,4.79 127.24,4.79 129.33,2.7 129.33,2.48 130.06,1.75 148.62,1.75 v1(149.63,2.75)
UART1_DIR: length 6
  TOP w0.1: v1(64.25,55.78) 62.81,55.78 Q10.3 ; v1(64.25,55.78) R83.1 R84.1 ; v1(64.25,55.78) 64.25,56.58 64.15,56.68 64.15,57.08 U6.5
UART1_DIR_G: length 1.8
  TOP w0.1: Q10.1 v1(60.39,53.04) 60.15,53.28 R62.2
UART1_RTS: length 38.8
  TOP w0.1: R165.2 v1(107.05,54.58) 107.22,54.41 U12.7 ; J13.E9 v1(80.68,70.67)
  L3 w0.1: v1(107.05,54.58) 107.05,54.02 106.91,53.88 105.48,53.88 102.95,56.41 v1(102.95,59.78)
  L4 w0.1: v1(80.68,70.67) 81.37,69.98 87.88,69.98 95.08,62.78 96.17,62.78 99.37,59.58 102.75,59.58 v1(102.95,59.78)